# Altium PCB SPG_300.PcbDoc (part 3 of 7)
Units mil, origin at the board's own origin, x right, y up, seen from the top; angles counter-clockwise.
Board outline 7834.65 x 4330.71 mil, 4 copper layers (Top, Route2-SIG, Route3-GND, Bottom), stack 67.156 mil thick; 659 components, 376 nets, 2304 pads, 665 vias.
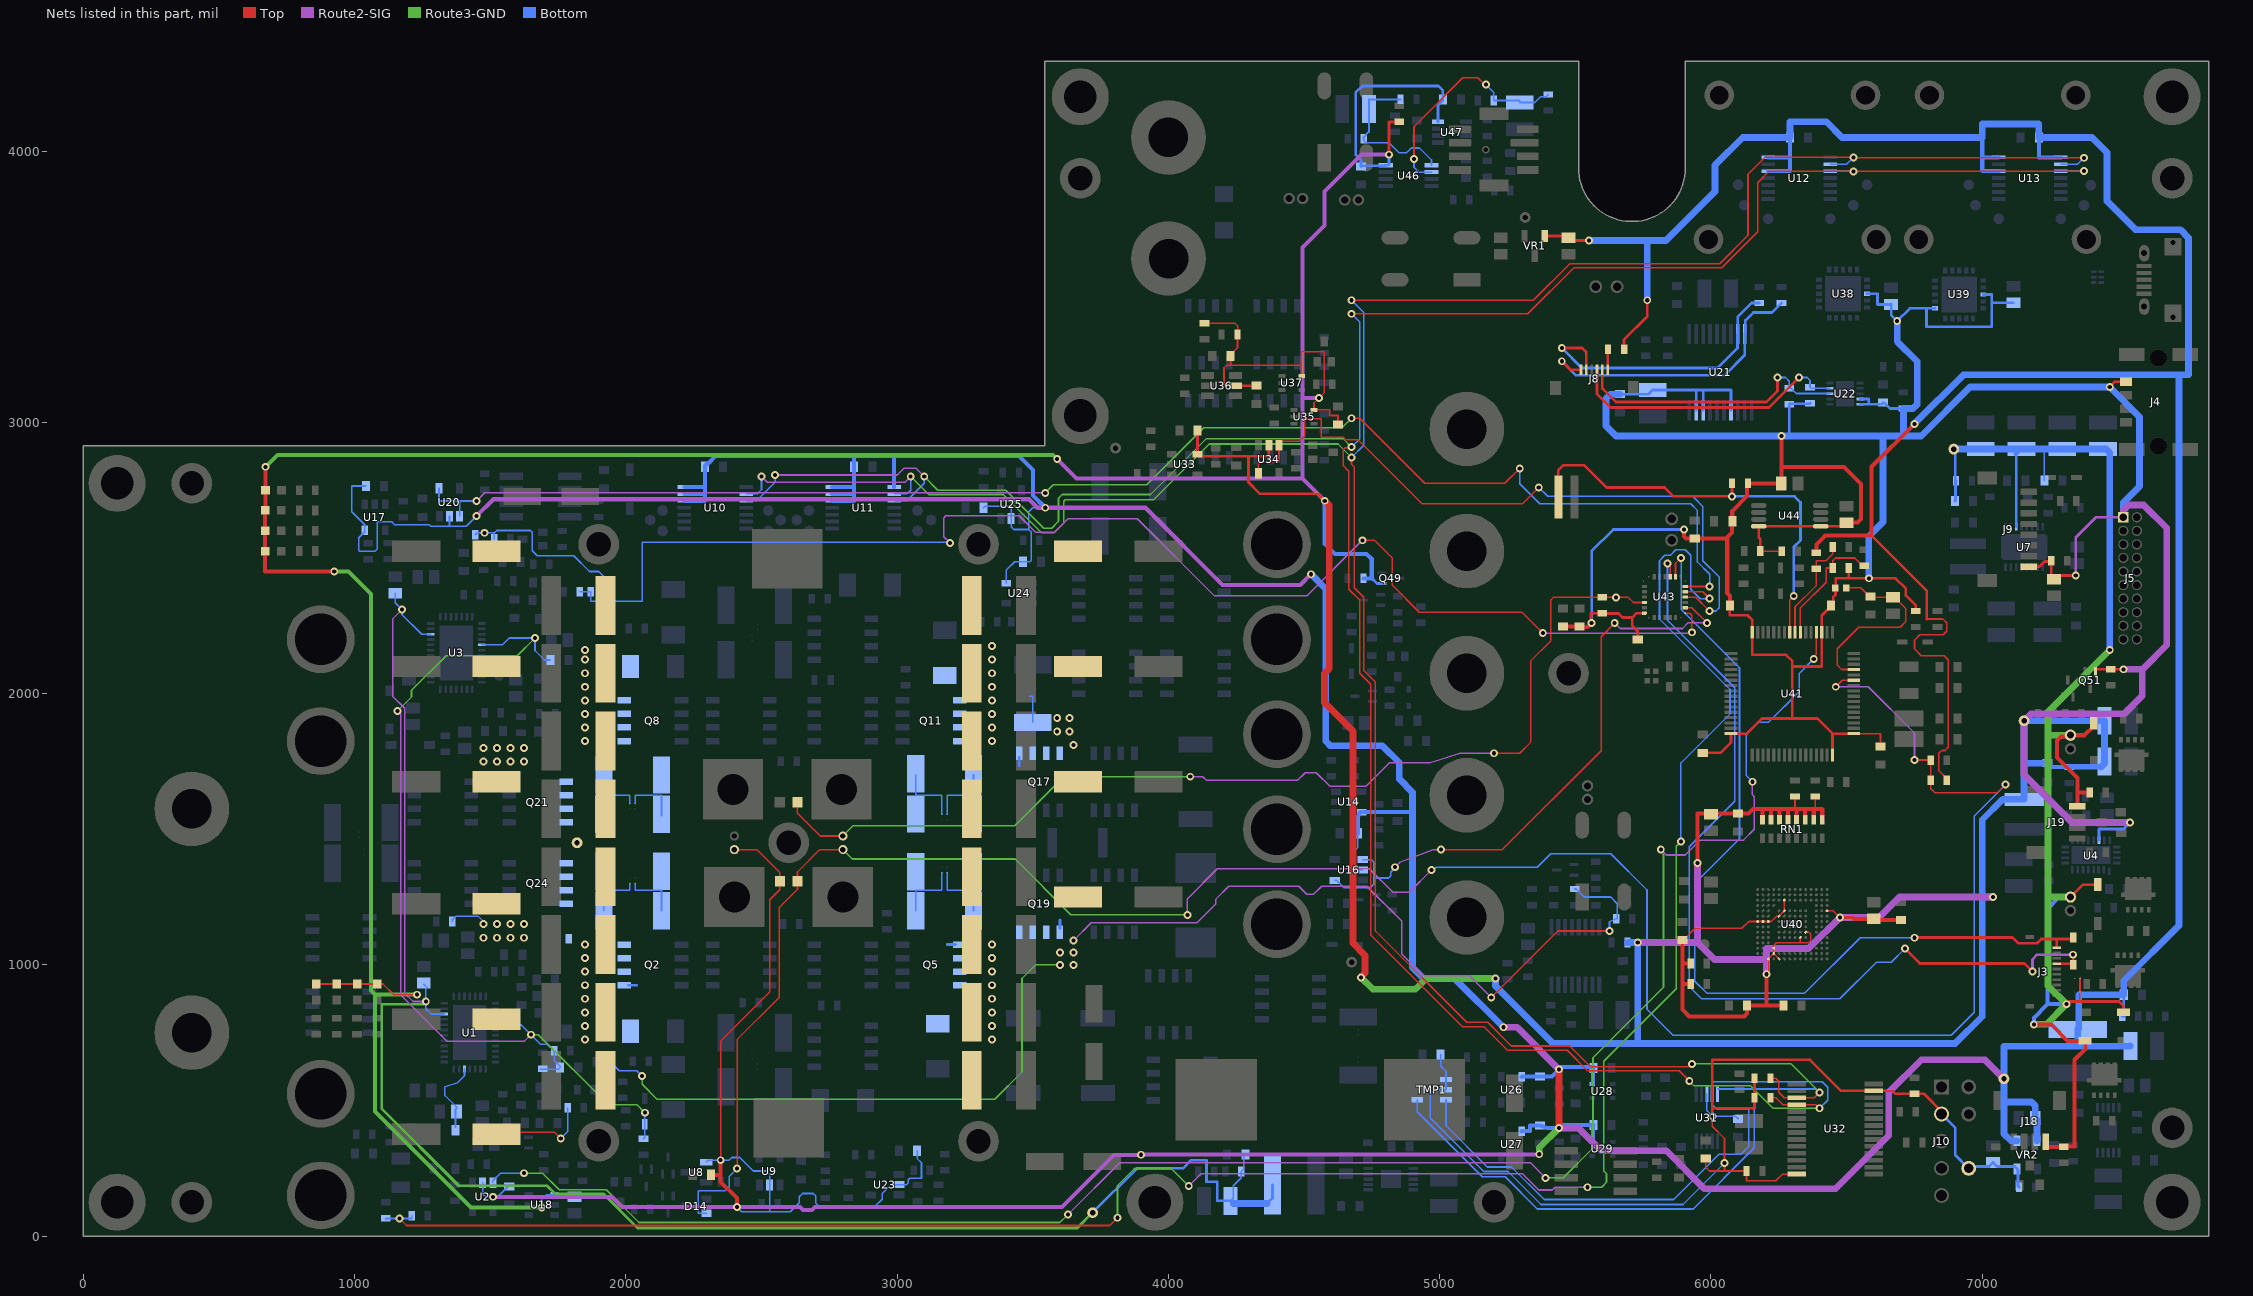
[diagram p5: the nets of this part, all layers, seen from the top]

## Via types
v1: diameter 29, hole 15, Top to Bottom, tented both sides, 469 vias
v2: diameter 29/29/29/29 (per signal layer), hole 15, Top to Bottom, tented both sides, 168 vias
v3: diameter 34/34/34/34 (per signal layer), hole 20, Top to Bottom, 14 vias
v4: diameter 60/52.5/52.5/60 (per signal layer), hole 35, Top to Bottom, 13 vias
v5: diameter 55, hole 35, Top to Bottom, 1 vias

## Nets (pads, with @x,y where several pads share a name; then routed paths per layer and width w, separated by ;. In a path a pad name is that pad's centre, name@x,y a point inside that pad or via, vN(x,y) a via of type N, cw(c..) or ccw(c..) an arc to the next point about the centre after c; other vN are vias at no path point)
3V3: C69.1 C70.1 C71.1 C102.1 C116.1 C121.1 C122.1 C126.1 C139.1 C148.1 C149.1 C151.2 C152.1 C153.1 C154.1 C157.1 C158.1 C159.1 C160.1 C161.1 C162.1 C163.1 C164.1 C165.1 C166.1 C167.1 C168.1 C169.1 C170.1 C172.1 C177.1 C178.1 C182.1 C186.1 FB1.1 I1.2 J4.1 J5.1 J9.8 LED1.A LED2.A LED3.A LED4.A LED5.A LED6.A LED7.A LED8.A Q49.1 Q51.1 R67.2 R103.2 R123.1 R130.2 R136.2 R137.2 R139.1 R181.2 R185.1 R186.1 R187.2 R191.2 R193.2 R194.2 R196.1 R197.1 R198.2 R200.2 R202.2 R206.1 R207.1 RN1.9 RN1.10 RN1.11 RN1.12 RN1.13 RN1.14 RN1.15 RN1.16 TP_2.1 U4.18 U18.1 U21.4 U21.8 U21.9 U22.4 U22.5 U33.5 U34.2 U35.5 U36.5 U37.5 U38.8 U39.8 U39.16 U40.*VCC U40.C6 U40.E6 U40.E14 U40.J10 U40.K9 U40.M4 U40.N4 U40.P3 U40.P5 U41.1 U41.19 U41.32 U41.48 U41.64 U43.7 U44.1 U44.8 U46.8 U47.8 | length 38991
  Top w6: LED7.A@670.43,2675 LED7.A@671.57,2676.14 ; LED1.A@859.01,929.53 LED2.A@934.01,929.53 LED3.A@1009.01,929.53 LED4.A@1084.01,929.53 1084.48,930 1084.96,929.53 1104.96,929.53 1144.48,890 v2(1229.96,890) ; R187.2@4132.83,3364.53 4245.47,3364.53 4255,3355 4255,3324.09 R185.1@4254.53,3323.62 4254.53,3275 4228.46,3248.94 C151.2@4228.46,3245 4230,3243.46 4230,3210 ; U36.5@4246.57,3135 4210.26,3135 4205,3140.26 4205,3200 4215,3210 4230,3210 ; U37.5@4491.42,3170 U37.5@4491.42,3170.59 4491.42,3210 ; v1@4565,3090 v1(4555,3090) ; C149.1@4625,2991.54 4625,3025 4595,3025 4595,3045.59 U35.5@4536.42,3045.59 4536.42,3071.42 v1(4555,3090) ; U43.7@5753,2296.44 5754.76,2294.68 U43.7@5757.56,2297.49 ; C165.1@5895,1091.54 5898.94,1091.54 5942.4,1135 6113.9,1135 6138.74,1159.84 U40.*VCC@6172.05,1159.84 U40.*VCC@6191.73,1159.84 U40.*VCC@6211.42,1159.84 6221.84,1159.84 6241.53,1179.53 U40.*VCC@6250.79,1179.53 U40.E6@6270.47,1199.21 U40.C6@6270.47,1238.58 ; C172.1@6000,1555.51 C172.1@6000,1558.46 ; R196.1@6181.89,2519.88 R196.1@6181.89,2525.79 6182.68,2525 R197.1@6260.63,2525 ; v1(6205,965.35) 6211.42,971.77 U40.P3@6211.42,1022.05 U40.N4@6231.1,1041.73 ; U40.P5@6250.79,1022.05 U40.N4@6231.1,1041.73 ; R198.2@6309.84,1620.47 6309.84,1580.91 6315.75,1575 ; U40.K9@6329.53,1100.79 6329.53,1081.1 ; U40.J10@6349.21,1120.47 6350.07,1119.61 6362.39,1119.61 6367.95,1114.05 6367.95,1089 6360.06,1081.1 6329.53,1081.1 ; 6378.74,1575 6385,1581.26 R200.2@6385,1620.47 ; U40.E14@6427.95,1199.21 6450,1199.21 6474.37,1174.84 v1(6475,1174.84) ; C160.1@6441.54,2321.06 C160.1@6441.54,2325 ; FB1.1@6458.66,2390 FB1.1@6460,2391.34 ; C170.1@6487.13,2616.61 C170.1@6500,2629.49 ; U41.1@6526.38,1852.58 6625,1852.58 C158.1@6625,1805.79 ; C178.1@6600,1169.49 C178.1@6604.01,1165.48 ; 4230,3210 4491.42,3210 ; 4491.42,3210 4491.42,3260 4575,3260 4575,3110 v1(4555,3090) ; U40.N4@6231.1,1041.73 6231.1,1071.1 6241.1,1081.1 6329.53,1081.1 ; U33.5@4107.24,2875 U33.5@4107.24,2882.4 4114.65,2875 U33.5@4107.24,2875
  Top w10: U33.5@4107.24,2882.4 C148.1@4107.24,2970 ; U33.5@4114.65,2875 4295,2875 ; U36.5@4246.57,3135 4246.65,3135.08 4324.92,3135.08 C152.1@4325,3135.16 ; U34.2@4370,2911.77 4370,2875 4295,2875 ; v1(4576.3,2710.59) 4550.71,2736.18 4337.83,2736.18 4295,2779.01 4295,2875 ; v1(4813.34,3986.5) 4813.34,4107.28 R181.2@4851.02,4107.28 ; C177.1@5515,2246.54 C177.1@5515.53,2246 ; v1(5560,2260) 5558.03,2261.97 5558.03,2296 5599,2296 R194.2@5599.53,2295.47 5659.53,2295.47 5674.29,2280.71 5710,2280.71 ; C166.1@5730,2198.46 5730,2229.8 5710,2249.8 5710,2280.71 ; U43.7@5753,2296.44 5725.73,2296.44 5710,2280.71 ; C159.1@5969.8,1781.54 6035,1781.54 6073.62,1820.16 U41.48@6073.62,1852.36 6132.36,1852.36 6188.15,1908.15 6300,1908.15 ; C157.1@6069.69,2325 6069.69,2288.56 6135.54,2288.56 6152.36,2271.73 U41.32@6152.36,2226.38 6152.36,2142.83 6276.86,2142.83 6299.69,2120 6299.69,2100 6300,2099.69 ; R196.1@6181.89,2525.79 6181.89,2570 6175.98,2575.91 U44.8@6175.98,2616.61 U44.1@6404.33,2616.61 C170.1@6487.13,2616.61 ; C160.1@6441.54,2321.06 6408.27,2287.79 U41.19@6408.27,2226.38 6408.27,2100 6300.31,2100 6300,2099.69 ; C160.1@6441.54,2325 6450.39,2333.85 6450.39,2355.39 6458.66,2363.66 FB1.1@6458.66,2390 ; U41.64@6447.64,1773.62 6447.64,1852.36 ; FB1.1@6460,2391.34 6460,2425 6507.87,2425 ; R202.2@6507.87,2462.83 6507.87,2425 ; U41.1@6526.38,1852.36 6447.64,1852.36 ; R193.2@6755,2304.53 6755,2325.16 6718.23,2361.93 6718.23,2386.77 6680,2425 v1(6581.93,2425) 6507.87,2425 ; J9.8@7171.26,2467.68 7210.2,2467.68 7229.33,2486.81 R130.2@7253.94,2486.81 ; R130.2@7253.94,2490.16 R130.2@7253.94,2486.81 ; C121.1@7267.52,2421.86 C121.1@7265,2421.86 ; v1(7344.69,2435) 7278.14,2435 C121.1@7265,2421.86 ; Q51.1@7417.9,2081.5 7417.9,2089.53 R186.1@7473.31,2089.53 v1(7520.51,2089.53) ; v1(7470,3130) 7490,3150 J4.1@7529.92,3150 ; 6300,1908.15 6300,2099.69 ; 6300,1908.15 6391.85,1908.15 6447.64,1852.36 ; R130.2@7253.94,2486.81 7253.94,2432.92 C121.1@7265,2421.86
  Top w15: LED7.A@670.43,2675 LED6.A@670.43,2600 LED5.A@670.43,2525 670.43,2450 v1(925,2450) ; LED7.A@671.57,2676.14 LED8.A@671.57,2750 v1(671.57,2836) ; C167.1@5455,2246.54 C177.1@5515,2246.54 ; C177.1@5515.53,2246 5516.06,2245.47 5545.67,2245.47 5558.03,2257.83 v1@5558.03,2261.97 ; C165.1@5895,1091.54 5895,1005 ; v1(5900,2605.47) 5900,2579.41 5907.87,2571.54 C168.1@5940,2571.54 6055,2571.54 ; R206.1@5925,929.06 R206.1@5925.47,929.53 5925,930 5895,930 ; R207.1@5925.47,1005 5895,1005 ; v1(5950,1375) 5950,1558.46 6000,1558.46 C163.1@6100,1558.46 6138.46,1558.46 6155,1575 6189.76,1575 ; C157.1@6069.69,2325 6069.69,2360.2 6060,2369.89 6060,2571.54 6055,2571.54 ; RN1.16@6189.76,1534.25 6189.76,1575 ; v1(6205,965.35) 6205,850 ; RN1.15@6221.26,1534.25 6221.26,1575 ; RN1.14@6252.76,1534.25 6252.76,1575 ; v1(6259.49,2950) 6259.49,2835 ; C162.1@6266.54,850 6205,850 ; RN1.13@6284.25,1534.25 6284.25,1575 ; RN1.12@6315.75,1534.25 6315.75,1575 ; RN1.11@6347.24,1534.25 6347.24,1575 ; RN1.10@6378.74,1534.25 6378.74,1575 ; RN1.9@6410.24,1534.25 6410.24,1575 6378.74,1575 ; v1(6475,1174.84) 6521.03,1174.84 6526.38,1169.49 C178.1@6600,1169.49 ; C170.1@6500,2629.49 6500.51,2630 6540,2630 6552.93,2642.93 6552.93,2771.79 6489.72,2835 6259.49,2835 ; C178.1@6604.01,1165.48 C164.1@6700,1165.48 ; 5895,930 5895,835 5919.88,810.12 6122.62,810.12 6133.46,820.96 C161.1@6133.46,850 6205,850 ; 5895,930 5895,1005 ; 6055,2571.54 6077.26,2593.8 6077.26,2633.8 C169.1@6078.46,2635 6078.46,2673.46 6133.25,2728.25 6133.25,2771.79 R191.2@6136.46,2775 C154.1@6259.49,2775 6259.49,2835 ; 6189.76,1575 6221.26,1575 ; 6221.26,1575 6252.76,1575 ; 6252.76,1575 6284.25,1575 ; 6284.25,1575 6315.75,1575 ; 6315.75,1575 6347.24,1575 ; 6347.24,1575 6378.74,1575
  Top w25: v1(4576.3,2710.59) 4593,2693.89 4593,2093 4575,2075 4575,1966.42 4680,1861.42 4680,1080 4725,1035 4725,969.98 4710,954.98 v1(4710,953.9)
  Route2-SIG w10: v1(7344.69,2435) 7344.69,2574.68 7420,2650 J5.1@7520,2650
  Route2-SIG w15: v1(3589.96,2865) 3661.81,2793.15 4493.74,2793.15 ; v1(4555,3090) 4493.74,3090 ; v1(4576.3,2710.59) 4493.74,2793.15 ; v1(4813.34,3986.5) 4711.5,3986.5 4575,3850 4575,3725 4493.74,3643.74 4493.74,3090 ; 4493.74,2793.15 4493.74,3090
  Route2-SIG w25: v1(5730,1082.5) 5950,1082.5 ; v1@5949.76,1375 5949.76,1082.74 5950,1082.5 ; v1@6204.76,965.35 6204.76,1020 ; v1@6474.76,1174.84 6359.92,1060 6204.76,1060 6204.76,1020 ; v1(6475,1174.84) 6619.84,1174.84 6695,1250 v1(7040,1250) ; J5.1@7520,2650 7520,2675 7540,2695 7595,2695 7680,2610 7680,2179.53 7590,2089.53 ; v1(7520.51,2089.53) 7590,2089.53 ; v1(7545,1525.16) 7330,1525.16 7154.11,1701.05 TP_2.1@7154.11,1900 7179.65,1925.54 7523.02,1925.54 7590,1992.52 7590,2089.53 ; 5950,1082.5 6012.5,1020 6204.76,1020
  Route3-GND w15: v1(671.57,2836) 715.57,2880 3574.96,2880 v1(3589.96,2865) ; v1(925,2450) 977.11,2450 1060,2367.11 1060,905 1075,890 ; v2(1229.96,890) 1075,890 ; v1(1690,105) 1429.96,105 1075,459.96 1075,890
  Route3-GND w25: v1(4710,953.9) 4753.9,910 4910,910 4950,950 v1(5205,950)
  Bottom w6: v1(1690,105) 1690,135.27 1707.13,152.4 U18.1@1737.24,152.4 1810.15,152.4 C116.1@1810.15,145.51
  Bottom w10: 4749.53,2425.05 4769.26,2405.32 Q49.1@4787.91,2405.32 ; v1(4813.34,3986.5) 4813.34,3950.79 4810.46,3947.91 U46.8@4800.35,3947.91 4797.89,3945.45 4712.46,3945.45 C186.1@4710,3942.99 4710,3966.5 4690,3986.5 4690,4215 4715,4240 4995,4240 5011.54,4223.46 C182.1@5011.54,4189.44 5011.54,4185.5 4993.43,4167.39 U47.8@4993.43,4107.91 ; v1(5560,2260) 5560,2525 5640,2605 5899.53,2605 v1(5900,2605.47) ; C126.1@5665,3103.46 5769.25,3103.46 C102.1@5785,3119.21 5945.43,3119.21 ; U21.9@5945.43,3044.25 5945.43,3119.21 ; U21.8@5971.02,3044.25 5971.02,3119.21 ; U21.4@6073.39,3044.25 6073.39,3119.21 5971.02,3119.21 ; 6290,2950 6288.96,2951.04 R137.2@6288.96,3065.95 6290.96,3067.95 6363,3067.95 R136.2@6365,3069.95 ; U22.5@6549.63,3066.1 6581.93,3066.1 ; U22.4@6549.63,3085.79 6581.93,3085.79 6581.93,3066.1 ; U38.8@6575.35,3474.21 6614.13,3474.21 6614.13,3434.49 C153.1@6664.13,3434.49 6664.13,3395.83 v1(6686.43,3373.53) 6732.91,3420 6794.49,3420 ; 6634.17,2950.83 6635,2950 ; R139.1@6709.17,3050.94 6659.65,3050.94 6638.11,3072.48 C122.1@6634.17,3072.48 6627.8,3066.1 6581.93,3066.1 ; U39.16@6826.42,3420 6794.49,3420 ; U39.8@7003.58,3471.18 7034.49,3471.18 7034.49,3440.67 ; C139.1@7114.49,3440.67 7034.49,3440.67 ; U4.18@7430.53,1460.12 7430.53,1500.53 7520.37,1500.53 v1(7545,1525.16) ; 5945.43,3119.21 5971.02,3119.21 ; 6794.49,3420 6794.49,3351.81 7034.49,3351.81 7034.49,3440.67
  Bottom w15: v1(4576.3,2710.59) 4576.3,2551.46 4613.23,2514.53 4730.47,2514.53 4749.53,2495.47 4749.53,2425.05 ; R123.1@4719.06,2425 4749.53,2425 ; C69.1@7240,1743.46 7243.94,1743.46 7257.87,1729.53 R67.2@7320,1729.53
  Bottom w20: R67.2@7320,1729.53 C71.1@7437.7,1729.53
  Bottom w25: v1(5205,950) 5205.77,949.23 5205.77,921.87 5417.64,710 5730,710 ; C126.1@5665,3103.46 5629.64,3103.46 5613.15,3086.97 5613.15,2986.85 5650,2950 v1(6259.49,2950) 6290,2950 6634.17,2950 ; R103.2@5692.4,1082.5 v1(5730,1082.5) 5730,710 ; v1(6581.93,2425) 6581.93,2580 6634.17,2632.24 6634.17,2950 ; 6634.17,2950.83 6634.17,2950 ; v1(6686.43,3373.53) 6686.43,3298.57 6760,3225 6760,3065.94 6745,3050.94 R139.1@6709.17,3050.94 6709.17,2950.83 6710,2950 ; v1(7040,1250) 7000,1250 ; C69.1@7240,1743.46 7154.11,1743.46 ; C71.1@7437.7,1729.53 7450.79,1742.62 C71.1@7450.79,1750 C70.1@7450.79,1900 TP_2.1@7154.11,1900 7154.11,1743.46 ; J5.1@7520.51,2650 7520.51,2704.47 7580,2763.96 7580,3020 v1(7470,3130) 6955,3130 6775,2950 6710,2950 ; 5730,710 6900,710 7000,810 7000,1250 ; 6634.17,2950 6635,2950 6710,2950 ; 7000,1250 7000,1535 7075.12,1610.12 I1.2@7154.11,1610.12 7154.11,1743.46
3V3A_MCU: C155.1 C156.1 FB1.2 U41.13 | length 722.8
  Top w6: FB1.2@6498.03,2390 6552.52,2390 6584.06,2358.46 C156.1@6587.99,2358.46 6590.95,2355.51 C155.1@6670.47,2355.51 6676.38,2355.51 6718.23,2313.66 6718.23,2265.94 6697.28,2245 6545,2245 6465,2165 6465,2105 6481.42,2088.58 U41.13@6526.38,2088.58
3V6: C100.1 C140.1 C145.1 C147.1 J10.2 R76.2 R166.2 R167.2 R168.2 R169.1 TMP1.4 TMP1.5 TP_5.1 U31.8 U32.13 U32.28 VR2.5 | length 4326.5
  Top w6: C147.1@5980.47,286.54 5980.47,254.25 5994.72,240 6050,240 ; v1(6005,441.73) 6005,405 6050,360 v1(6050,269.88) 6050,240 ; U32.28@6315.97,228.66 6263.79,228.66 6238.83,203.7 6130.94,203.7 R168.2@6130.94,240 6050,240
  Top w10: v1(6005,441.73) 6005,471.4 ; R167.2@6160.47,582.06 R166.2@6160.47,510.16 6160.47,471.4 6005,471.4 ; J10.2@6855,445 6855,454.53 6784.53,525 6750.47,525 R169.1@6750,524.53 6680,524.53 6668.78,535.75 U32.13@6599.43,535.75 6479.72,535.75 6365.47,650 6005,650 6005,471.4
  Bottom w6: C145.1@5003.46,670 5003.46,626.54 5023.15,606.85 TMP1.4@5023.15,577.4 TMP1.5@5023.15,540 4980,540 4965,525 4965,435.79 5162.48,238.31 5251.69,238.31 5373.46,116.54 5896.65,116.54 v1(6050,269.88) ; U31.8@5985,523.74 5985,461.73 v1(6005,441.73) 6090.68,441.73 C140.1@6100,432.41
  Bottom w10: J10.2@6850,450 6900,400 6900,300.12 TP_5.1@6950,250.12 6956.69,256.8 7025.31,256.8 C100.1@7040,271.49 7054.69,256.8 7119.61,256.8 7127.6,248.81 VR2.5@7127.6,247.76 7131.54,243.82 7131.54,184.29 R76.2@7135.47,180.35
5V0: C32.1 C67.1 C79.2 C80.1 C94.1 C103.1 C106.1 C107.1 C108.1 C109.1 C110.1 C117.1 C127.1 C128.1 C129.1 C130.1 C131.1 C133.1 C134.1 L4.2 pad.12 R73.1 R85.1 R127.2 R203.2 TH1.2 TP_4.1 U2.2 U8.1 U9.2 U10.12 U10.13 U10.14 U11.1 U11.12 U11.13 U11.14 U12.12 U12.14 U13.1 U13.12 U13.14 U14.5 U16.2 U17.5 U20.2 U23.2 U24.5 U25.2 U26.5 U27.5 U28.5 U29.5 VR1.1 VR2.1 VR2.3 | length 31780.6
  Top w6: v1(2349.56,280) 2349.56,719.56 2530,900 2530,1239.7 2567.52,1277.22 TH1.2@2567.52,1308.15 2567.52,1340.14 2482.66,1425 pad.12@2399.96,1425 pad.12@2399.56,1425 ; 6795,2275 6855,2275 6869.41,2260.59 6869.41,2230 6855.94,2216.54 6770,2216.54 6750,2196.54 6750,2165 6775,2140 6860,2140 6875,2125 6875,1802.17 6862.83,1790 6850,1790 6840,1780 6840,1716.22 6869.53,1686.69 R85.1@6869.53,1680.79
  Top w10: VR1.1@5387.4,3686.42 5469.09,3686.42 C67.1@5475,3680.51 5485.51,3670 v1(5550,3670) ; R127.2@5679.53,3270 5679.53,3304.53 5765,3390 v1(5765,3450) ; 6591.73,2582.68 6795,2379.41 6795,2275
  Top w15: C103.1@2313.46,226.06 2314.52,225 2349.56,225 ; v1(2349.56,280) 2349.56,225 ; v1(2410,107.7) 2410,140 2349.56,200.44 2349.56,225 ; R203.2@6388.58,2519.53 6388.58,2550 6421.26,2582.68 6591.73,2582.68 6591.73,2836.14 v1(6750,2994.41)
  Top w25: v1(5440,398.94) v1(5440,615)
  Route2-SIG w15: v1(1450,2655) 1511.32,2716.32 3486.75,2716.32 3518.06,2685 v1(3545.92,2685) 3915,2685 4199.06,2400.94 4485.94,2400.94 v1(4525,2440) ; v1(1510,145) 1948.91,145 1986.2,107.7 v1(2410,107.7) 2642.3,107.7 2653,97 2686,97 2696.7,107.7 3607.7,107.7 3798.96,298.96 3890.87,298.96 3891.91,300 v1(3898.96,300) 3899.96,301 5366,301 v1(5367,302)
  Route2-SIG w25: v1(5235,770) 5284.98,770 5289.98,765 v1(5440,615) ; v1(5440,398.94) 5511.06,398.94 5595,315 5835,315 5975,175 6460,175 6655,370 6655,530 6775,650 7010,650 TP_4.1@7080,580
  Route3-GND w25: v1(5367,302) 5367,325.94 v1(5440,398.94)
  Bottom w6: C117.1@1041.54,2765 990,2765 990,2669.96 1037.6,2622.36 U17.5@1037.6,2602.76 1037.6,2596.85 1014.96,2574.21 1014.96,2527.93 1017.89,2525 1075,2525 1083.02,2533.02 1083.02,2633 1137.28,2633 1147.28,2623 1274.37,2623 1280.37,2617 1350,2617 ; 1350,2623 1350,2617 ; 1350,2625 U20.2@1350,2653.23 ; v1(1450,2655) 1412,2617 1350,2617 ; U2.2@1472.22,197.01 1472.22,155 1482.22,145 v1(1510,145) ; v1@1510,142.95 v1(1510,145) ; v1@1515.8,140 1515.8,142.95 v1@1513.76,145 ; C32.1@1570.19,183.46 1566.26,183.46 1527.79,145 v1@1513.76,145 ; U8.1@2296.42,272.99 2303.43,280 v1(2349.56,280) 2379.96,280 2389.96,290 2420,290 2470,240 2517.08,240 2530,227.08 U9.2@2530,188.23 2530,90 ; v1(2410,107.7) 2427.7,90 2530,90 ; C127.1@3073.46,315 3073.46,286.54 3090,270 3090,213.73 3046.87,213.73 3041.16,208.02 3041.16,195.71 3035.46,190 U23.2@3006.77,190 2977.46,190 2945,157.54 2945,136.54 2919.25,110.79 2711.21,110.79 2700,122 2700,148 2691,157 2651.24,157 2639,144.76 2639,123 2606,90 2530,90 ; C128.1@3318.46,2685 3323.46,2690 3420.47,2690 U25.2@3420.47,2645.47 3420.47,2614.53 3430,2605 3485.24,2605 ; U24.5@3402.71,2407.4 3402.71,2455.47 3433.09,2485.85 C129.1@3463.74,2485.85 3489.43,2485.85 3495,2491.42 3495,2595.24 3485.24,2605 ; v1(3545.92,2685) 3499.55,2685 3485.24,2670.69 3485.24,2605 ; C110.1@4698.46,1485 4698.46,1433.46 4680,1415 4680,1358.33 4687.85,1350.47 U16.2@4716.77,1350.47 ; v1(1510,145) 1510,148.76 v1@1513.76,145 ; v1(1510,145) v1@1513.76,145
  Bottom w10: R73.1@7515.98,810.12 7521.54,810.12 C79.2@7521.54,890
  Bottom w15: U10.12@2215.83,2710.59 2291.1,2710.59 2291.1,2736.18 ; U10.13@2215.83,2736.18 2291.1,2736.18 ; U10.14@2215.83,2761.77 2291.1,2761.77 ; U11.12@2760.83,2710.59 2841.54,2710.59 2841.54,2736.18 ; U11.13@2760.83,2736.18 2841.54,2736.18 ; U11.14@2760.83,2761.77 2841.54,2761.77 ; U11.1@2989.17,2761.77 2989.17,2875 ; v1(3545.92,2685) 3500.78,2730.15 3500.78,2824.22 3450,2875 2989.17,2875 ; C110.1@4698.46,1485 4698.46,1549.33 ; U14.5@4702.03,1552.89 4702.03,1558.8 4706.34,1563.11 U14.5@4712.24,1563.11 4900,1563.11 ; U27.5@5302.4,386.77 5303.25,387.62 5333,387.62 5333,408.46 C131.1@5370,408.46 5396.1,399.1 5395.94,398.94 v1(5440,398.94) 5451.06,410 C134.1@5566.54,410 5564.57,408.03 5564.57,347.5 5564.19,347.13 U29.5@5562.6,347.13 ; U26.5@5302.4,587.24 5303.01,587.85 5368.54,587.85 C130.1@5369.15,588.46 5369.53,588.84 5413.84,588.84 v1(5440,615) 5448.82,623.82 5566.54,623.82 5564.57,621.85 5564.57,560.96 5564.19,560.59 U28.5@5562.6,560.59 ; U12.12@6210.83,3925.59 6291.54,3925.59 6291.54,3976.77 ; U12.14@6210.83,3976.77 6291.54,3976.77 ; C108.1@6291.54,4050 6291.54,3976.77 ; 7000,4050 7000,3976.77 ; U13.12@7060.83,3925.59 7000,3925.59 7000,3976.77 ; U13.14@7060.83,3976.77 7000,3976.77 ; C109.1@7208.46,4050 7208.46,3976.77 U13.1@7289.17,3976.77 U13.1@7289.59,3976.36 ; 2291.1,2736.18 2291.1,2761.77 ; 2291.1,2761.77 C106.1@2291.1,2836 2291.1,2839.94 2298.36,2847.2 2302.3,2847.2 2330.09,2875 2841.54,2875 ; 2841.54,2736.18 2841.54,2761.77 ; 2841.54,2761.77 C107.1@2841.54,2836 2841.54,2875 ; 2841.54,2875 2989.17,2875
  Bottom w25: v1(4525,2440) 4580,2385 4580,1825 4597.5,1807.5 4788.5,1807.5 4851,1745 4851,1685 4900,1636 4900,1563.11 4900,990 4940,950 5055,950 v1(5235,770) ; v1(5550,3670) 5765,3670 ; v1(5765,3450) 5765,3670 ; v1@6750,2995 6930,3175 7725,3175 ; VR2.1@7127.6,351.3 7127.11,351.79 7105,351.79 7080,376.79 7080,495 ; VR2.3@7202.4,351.3 7201.91,351.79 7201.91,428.6 C94.1@7195.51,435 7195.51,480.36 7180.87,495 7080,495 ; C80.1@7545.79,700.79 7545,700 7351.79,700 ; 5765,3670 5834.06,3670 6015,3850.94 6015,3947.91 6117.09,4050 C108.1@6291.54,4050 6291.54,4107.91 6425,4107.91 6482.91,4050 7000,4050 7000,4100 7208.46,4100 C109.1@7208.46,4050 7405,4050 7460,3995 7460,3815 7565,3710 7730,3710 7760,3680 7760,3175 7725,3175 ; 7080,495 TP_4.1@7080,580 7080,700 7351.79,700 ; 7351.79,700 L4.2@7351.79,761.26 7355.72,765.2 7355.72,890 C79.2@7521.54,890 7521.54,941.54 7725,1145 7725,3175
7V5: C25.1 C58.1 C74.2 C75.1 L3.2 R68.1 TP_3.1 U1.29 U3.29 | length 6459.8
  Route2-SIG w6: v1(1175,2310) 1140,2275 1140,1990.55 1185,1945.55 1185,895 1215,865 v2(1262.46,865)
  Route3-GND w10: v2(1262.46,865) 1252.46,855 1100,855 1100,469.84 1384.06,185.78 1709.49,185.78 1740.27,155 1918.52,155 2043.66,29.86 3663.87,29.86 TP_3.1@3720.49,86.48
  Bottom w6: C58.1@1150,2369.49 1150,2335 v1(1175,2310) 1175,2291 1247.1,2218.9 U3.29@1280.47,2218.9 ; C25.1@1254.96,928.23 1266.77,916.42 1262.46,912.11 v2(1262.46,865) 1262.46,838.54 1282,819 1330.37,819 U1.29@1330.47,818.9 ; C75.1@4229.21,130 4239.21,140 4239.21,185.47 4268.74,215 R68.1@4268.74,238.31 4278.05,247.62 4278.05,295.1 C74.2@4283.42,300.47
  Bottom w10: TP_3.1@3720.49,86.48 3884.12,250.12 4053.21,250.12 4083.09,280 4140,280 4140,200.91 4180,200.91 4180,130 C75.1@4229.21,130 C75.1@4239.21,120 ; L3.2@4363.7,120 4383.74,140.04 L3.2@4383.74,188.39
  Bottom w25: C75.1@4239.21,120 L3.2@4363.7,120
12V0: C85.1 C87.1 C89.1 C91.1 C93.1 C95.1 D28.C D29.C D30.C D31.C J18.1 J19.1 J20.2 J21.2 NT21.1 NT22.1 R79.2 R208.2 R209.2 TP_6.1 U7.3 | length 5967.7
  Top w6: 7360,865 NT21.1@7360,900 7360.47,900.47 NT22.1@7360.47,950
  Top w10: v1(7310,855) 7320,865 7360,865 7504.49,865 7519.49,850 7519.49,826.38 D28.C@7520.87,825 ; J20.2@7325,1250 7370,1295 7424.13,1295 D29.C@7425,1295.87
  Top w15: v1(7190,780) 7254.72,780 7314.7,720.02 D31.C@7379.13,720.02 7380,719.15 7380,690 7340.22,650.22 7340.22,329.74 7300.69,329.74 R208.2@7300,329.06 7237.85,329.06 7233.54,333.37 J18.1@7233.54,347.95 ; J19.1@7350.47,1584.06 7350.47,1636.79 ; R209.2@7395.47,1635.24 7352.03,1635.24 7350.47,1636.79 ; D30.C@7411.61,1890.87 7411.61,1881.02 7377.1,1846.51 J21.2@7325,1846.51 7319.83,1841.35 7290.06,1841.35 7275,1826.28 7275,1765 7350.47,1689.53 7350.47,1636.79
  Route3-GND w15: J21.2@7325,1840 7318.49,1846.51 J21.2@7325,1846.51
  Route3-GND w25: v1(7190,780) 7190.77,780.77 7235.77,780.77 v1(7310,855) 7242.76,922.24 7242.76,1250 ; J21.2@7318.49,1846.51 7242.76,1846.51 ; J20.2@7325,1250 7242.76,1250 ; v1(7470,2160.12) 7242.6,1932.72 7242.6,1914.53 7242.76,1846.51 ; 7242.76,1250 7242.76,1846.51
  Bottom w6: 7228.35,2901.23 7227.48,2900.36 7227.48,2889.53 7229.13,2887.87 C85.1@7229.13,2785
  Bottom w10: C95.1@6899.13,2710 6901.1,2711.97 6901.1,2783.03 R79.2@6903.07,2785 6899.88,2788.19 TP_6.1@6899.88,2896.39 ; U7.3@7125.07,2614.8 C89.1@7125.07,2883.14 ; C91.1@7257.81,2901.23 C91.1@7261.57,2897.46
  Bottom w15: C89.1@7125.07,2883.14 7123.42,2883.14 7141.51,2901.23 C89.1@7145.04,2901.23 ; v1(7190,780) 7190,805 7240,855 ; v1(7310,855) 7240,855 ; J20.2@7325,1250 7283.21,1250 7240,1206.79 7240,855
  Bottom w25: TP_6.1@6899.88,2896.39 6904.72,2901.23 C87.1@6994.57,2901.23 C89.1@7141.51,2901.23 ; C89.1@7145.04,2901.23 7228.35,2901.23 7257.81,2901.23 C91.1@7295.04,2901.23 C93.1@7445.04,2901.23 7456.91,2901.23 7470,2888.14 v1(7470,2160.12)
AI_3V3: R202.1 R204.2 U41.23 | length 459.6
  Top w6: U41.23@6329.53,2226.38 6329.53,2315.2 6425,2410.67 6425,2462.83 R202.1@6448.81,2462.83 6448.81,2490.16 6458.66,2500 6529.57,2500 6559.09,2470.47 R204.2@6565,2470.47
AI_5V0: R203.1 R205.2 U41.24 | length 392.5
  Top w6: U41.24@6309.84,2226.38 6309.84,2319.84 6388.58,2398.58 R203.1@6388.58,2460.47 6388.58,2490 6424.05,2490 6448.81,2514.76 R205.2@6448.81,2540.51
AI_CHTR_I: U34.1 U34.4 U43.18 | length 2595.3
  Top w6: U34.4@4331.22,2812.17 4331.22,2855 4407.4,2855 U34.1@4407.4,2915.71 4407.4,2918.46 4418.94,2930 4483.11,2930 4501.5,2948.39 4501.5,3013 4563.11,3013 4563.11,2945 4644.53,2945 4654.53,2935 4700,2935 4935,2700 5305,2700 v1(5365,2760) ; U43.18@5904.8,2355.51 5943.9,2355.51 v1(5994.88,2304.53)
  Bottom w6: v1(5365,2760) 5398.08,2726.92 5933.08,2726.92 5970,2690 5970,2490 6030,2430 6030,2316.14 6018.39,2304.53 v1(5994.88,2304.53)
AI_DC1_VIN: R13.1 R15.2 U43.15 | length 5023.4
  Top w6: v1(4715,2565) 4760,2565 4825,2500 4825,2400 4925.02,2299.98 5302.99,2299.98 v1(5380,2222.97) ; U43.15@5904.8,2296.46 5921.55,2296.46 5929.45,2288.56 5929.45,2226.02 v1(5929.53,2225.94)
  Route2-SIG w6: v1(3195,2555) 3171.92,2578.08 3171.92,2647.42 3179.51,2655 3450,2655 3510,2595 3580,2595 3630,2645 3885,2645 4170,2360 4510,2360 v1(4715,2565) ; v1(5380,2222.97) 5926.56,2222.97 v1(5929.53,2225.94)
  Bottom w6: R15.2@1829.53,2374.89 1870.1,2374.89 R13.1@1870.43,2375.22 1870.43,2340 2060,2340 2060,2558 3192,2558 v1(3195,2555)
AI_FC_I: U20.1 U20.4 U43.20 | length 5477.1
  Top w6: v1(4675,3015) 4705,3015 4945,2775 5240,2775 v1(5295,2830) ; U43.20@5904.8,2394.88 5994.88,2394.88 v1(5995,2395)
  Route2-SIG w6: v1(1450,2710) 1480,2740 v1(3545.92,2740)
  Route3-GND w6: v1(3545.92,2740) 3575.92,2770 3920,2770 4130,2980 4640,2980 v1(4675,3015)
  Bottom w6: U20.4@1311.22,2756.77 1311.22,2710 1387.4,2710 ; U20.1@1387.4,2653.23 1387.4,2710 ; v1(1450,2710) 1387.4,2710 ; v1(5295,2830) 5295,2773.32 5368.31,2700 5925,2700 5950,2675 5950,2484.8 5995,2439.8 v1(5995,2395)
AI_FC_T1: J3.1 R110.1 U43.23 | length 3341.8
  Top w6: U43.23@5869.37,2430.32 5869.37,2479.37 v1(5890,2500)
  Top w10: v1(6750,1100) 6750.79,1100.79 7111.69,1100.79 7132.48,1080 7202.77,1080 7217.77,1095 R110.1@7334.69,1095 ; J3.1@7270,1063.66 7270.08,1063.58 J3.1@7274.21,1063.58 7274.21,1090.09 7272.76,1091.54
  Bottom w6: v1(5890,2500) 5890,2310 6105,2095 6105,1465 5940,1300 5940,940 5985,895 6345,895 6550,1100 v1(6750,1100)
AI_FC_T2: J3.4 R109.1 U43.24 | length 3483.5
  Top w6: v1(5839.53,2479.37) 5849.69,2469.21 U43.24@5849.69,2430.32
  Top w10: v1(6715,1060) 6770,1005 6805,1005 ; 6805.47,1004.53 6805,1005 ; v1(7185,975) 7155,1005 6805,1005 ; J3.4@7274.21,1004.53 7330.94,1004.53 R109.1@7335,1000.47 ; v1(7335,1037.5) R109.1@7335,1000.47 ; R109.1@7335.47,1000 R109.1@7335,1000.47
  Route2-SIG w10: v1(7185,975) 7185,1020 7202.5,1037.5 v1(7335,1037.5)
  Bottom w6: v1(5839.53,2479.37) 5839.53,2270.47 6088,2022 6088,1603 5920,1435 5920,920.32 5965.31,875 6475,875 6610,1010 6665,1010 v1(6715,1060)
AI_FC_V: R117.1 R119.2 U43.19 | length 7855.7
  Top w6: v1(1165,65) 1191,39 3783.41,39 v1(3812.26,67.84) ; U43.19@5904.8,2375.2 5969.8,2375.2 v1(5995,2350)
  Route2-SIG w6: v1(4075,185) 4120,230 5305.47,230 5365.47,170 5414.56,170 5424.91,180.35 v1(5545,180.35)
  Route3-GND w6: v1(3812.26,67.84) 3812.26,186.39 3875,249.13 4010.87,249.13 v1(4075,185) ; v1(5545,180.35) 5597.13,180.35 5615,198.23 5615,230 5605,240 5605,645 5871.44,911.44 5871.44,1437.31 v1(5889.13,1455)
  Bottom w6: R117.1@1115,60.47 1115,65 v1(1165,65) 1210.98,65 R119.2@1210.98,75 ; v1(5889.13,1455) 5889.13,1744.13 6070,1925 6070,2015 5810,2275 5810,2490 5830,2510 5850.47,2510 5870.47,2530 5905,2530 5925,2510 5925,2385 5960,2350 v1(5995,2350)
AI_FCCB_T: R194.1 TH2.2 U43.5 | length 3897.7
  Top w6: TH2.2@2632.44,1600 2632.44,1559.29 2716.73,1475 v3(2799.92,1475) ; v1(5200,1780) 5295,1780 5335,1820 5335,2120 5410,2195 5410,2345 5419.53,2354.53 R194.1@5599.53,2354.53 5639.21,2354.53 v1@5650,2343.74 ; v1(5650,2354.53) v1@5650,2343.74 ; U43.5@5755.2,2335.83 5714.17,2335.83 5695.47,2354.53 5662.73,2354.53 5650.97,2342.77 v1@5650,2343.74
  Route2-SIG w6: v1(4080.55,1693.63) 4126.37,1693.63 4140,1680 4475.94,1680 4504.29,1708.35 4545,1708.35 4594.37,1658.98 4728.98,1658.98 4815,1745 4965,1745 5075,1780 v1(5200,1780)
  Route3-GND w6: v3(2799.92,1475) 2837.22,1512.3 3433.35,1512.3 3614.26,1693.21 4080.13,1693.21 v1(4080.55,1693.63)
AI_LOAD_I: U16.1 U16.4 U43.16 | length 2269.3
  Top w6: v1(5005,1425) 5230.91,1425 5595,1789.09 5595,2210 v1(5645,2260) ; U43.16@5904.8,2316.14 5929.45,2316.14 v1(5985,2260.59)
  Route2-SIG w6: v1(4835,1360) 4852.66,1377.66 4975,1425 v1(5005,1425) ; v1(5645,2260) 5665,2240 5895,2240 5915.59,2260.59 v1(5985,2260.59)
  Bottom w6: U16.4@4613.23,1311.69 4619.92,1311.69 4646.61,1285 4745.52,1285 4757.34,1296.82 4757.34,1320 ; U16.1@4716.77,1387.87 4748.52,1387.87 4757.34,1379.05 4757.34,1320 ; v1(4835,1360) 4835,1356.77 4820,1341.77 4820,1327.97 4812.03,1320 4757.34,1320
AI_PMON_EX: C179.1 R212.2 R215.2 U46.2 | length 863.1
  Top w6: v1(4905,3970) 4905,4090 5085,4270 5140,4270 5165,4245 v1(5170.08,4245)
  Bottom w6: v1(4905,3970) 4905,3940 4922.68,3922.32 U46.2@4969.65,3922.32 ; v1(5170.08,4245) 5199.61,4215.47 R215.2@5199.61,4186.31 5295,4186.31 C179.1@5295,4178.74 5295.25,4178.99 5350,4178.99 5370.47,4199.46 5391.19,4199.46 R212.2@5400,4208.27
AI_PMON_P: C180.1 R216.2 R218.2 U46.1 | length 589.9
  Bottom w6: R218.2@4719.53,4045 4719.53,4039.09 4728.34,4030.28 4813.34,4030.28 4850.63,3992.99 4876.93,3992.99 4895.22,4011.28 4925.18,4011.28 4969.65,3966.81 U46.1@4969.65,3947.91
  Bottom w7: R218.2@4719.53,4045 4719.53,4050.91 4739.21,4070.59 C180.1@4739.21,4154.53 4739.21,4190.51 R216.2@4855.47,4190.51
AI_RTC_BAT_V: BAT1.PLUS R191.1 U41.25 | length 1598.8
  Top w6: U41.25@6290.16,2226.38 6290.16,2345.16 v1(6305,2360)
  Top w10: BAT1.PLUS@5437.2,2724.91 5437.2,2823.74 5455,2841.54 5532.99,2841.54 5614.53,2760 5829.06,2760 5862,2727.06 6077.13,2727.06 v1(6077.26,2726.92) 6077.4,2727.06 R191.1@6077.4,2775
  Bottom w10: v1(6077.26,2726.92) 6308.08,2726.92 6330,2705 6330,2565 6305,2540 v1(6305,2360)
AI_TEMPLIM: D14.2 R85.2 R88.1 TH1.1 U41.11 | length 8624.4
  Top w6: v1(2410,249.13) 2410,725 2565,880 2565,1211.51 2632.48,1278.99 TH1.1@2632.48,1308.15 2632.48,1342.32 2715.16,1425 v3(2799.92,1425) ; v1(6460,2025) 6484.21,2049.21 U41.11@6526.38,2049.21 ; v1(6750,1755) 6810.28,1755 R88.1@6810.35,1754.92 6810.47,1754.8 R85.2@6810.47,1680.79 6810.47,1649.53 6825,1635 7056.43,1635 v1(7085.91,1664.47)
  Route2-SIG w6: v1(4070,1183.23) 4070,1244.23 4180,1354.23 4740.77,1354.23 4827.5,1267.5 4887.5,1267.5 v1(4970,1350) ; v1(6460,2025) 6580,2025 6750,1855 v1(6750,1755)
  Route3-GND w6: v3(2799.92,1425) 2834.92,1390 3435,1390 3640,1185 4056.87,1185 4058.64,1183.23 v1(4070,1183.23)
  Bottom w6: D14.2@2297.4,85.06 2267,85.06 2267,167 2365.65,167 2381,182.35 2381,220.13 v1(2410,249.13) ; v1(4970,1350) 4976.22,1350 4986.22,1360 5359.37,1360 5409.37,1410 5630,1410 5763.94,1276.06 5763.94,836.06 5859.84,740.16 6885.16,740.16 6970,825 6970,1548.57 v1(7085.91,1664.47)
AO_DC1_ISET: U2.3 U41.20 | length 6782.8
  Top w6: v1(6378.74,2127.95) 6378.74,2135 6388.58,2144.84 U41.20@6388.58,2226.38
  Route2-SIG w6: v1(3630,80) 3820.25,270.25 4136.37,270.25 ; 4136.62,270 4136.37,270.25 ; v1(5390,215) 5334.75,270.25 4136.37,270.25 ; v1(5815,1425) 5835,1405 5905,1405 5960,1460 6120,1460 6160,1500 6160,1620 6152.7,1627.3 v1(6152.7,1675)
  Route3-GND w6: v1(1625,232.04) 1692.96,232.04 1754.46,170.54 1928.21,170.54 2048.5,50.25 3599.75,50.25 3629.5,80 v1(3630,80) ; v1(5390,215) 5455,215 5565,325 5565,657.87 5825,917.87 5825,1415 v1(5815,1425)
  Bottom w6: U2.3@1509.62,197.01 1509.62,203.7 1537.96,232.04 v1(1625,232.04) ; v1(6152.7,1675) 6130,1697.7 6130,1852 6173,1895 6213,1895 6325,2007 6325,2074.21 v1(6378.74,2127.95)
BBFBK: C21.2 C54.2 D13.A R20.2 R25.1 R83.1 U1.5 U3.5 | length 3613.6
  Route2-SIG w6: v1(1157.84,1935.51) 1169.8,1923.56 1169.8,888.78 1339.58,719 1626.39,719 v2(1650,742.61)
  Route3-GND w6: v1(1157.84,1935.51) 1210,1987.67 1210,2012 1338,2140 1600,2140 v1(1665,2205) ; v2(1650,742.61) 1677.39,742.61 1935,485 2040,485 v1(2070,455)
  Bottom w6: U3.5@1469.45,2179.53 1544.96,2179.53 1570.43,2205 v1(1665,2205) 1665,2158.78 1699.96,2123.82 C54.2@1721.54,2123.82 ; U1.5@1519.45,779.53 1613.09,779.53 v2(1650,742.61) 1685.21,707.4 1710.51,707.4 R25.1@1735.43,682.48 ; R20.2@1684.74,615.47 1735.53,615.47 1735.47,615.53 1751.06,615.53 C21.2@1757.54,622 1757.54,625.94 1735.43,648.04 R25.1@1735.43,676.58 ; R25.1@1735,677.01 R25.1@1735.43,676.58 ; R25.1@1735.43,683 R25.1@1735.43,682.48 ; R83.1@2065,359.53 2070,364.53 D13.A@2070,412.76 v1(2070,455) ; R25.1@1735.43,676.58 R25.1@1735.43,682.48 ; R25.1@1735.43,676.58 1735.47,676.54 1735.47,682.44 R25.1@1735.43,682.48
BBIN: C9.1 C10.1 C11.1 C34.1 C35.1 C36.1 NT4.2 NT9.2 Q21.D1 Q21.D2 Q21.D3 Q21.D4 Q24.D1 Q24.D2 Q24.D3 Q24.D4 R1.1 R3.1 R13.2 R16.2 R19.2 R39.1 R45.1 R52.2 R54.2 R86.2 TP_BBIN1.1 | length 1610.9
  Top w6: C9.1@1522.59,375 1537.59,360 1560.67,383.08 1736.92,383.08 v1(1760,360)
  Bottom w6: R19.2@1360,1160 1360,1165.91 1373.85,1179.75 1455.23,1179.75 1474.96,1160.03 v2(1474.96,1150) v2@1468.46,1150 ; R54.2@1444.53,2585 1452.23,2592.7 v1(1478.71,2592.7) 1515.39,2592.7 ; R52.2@1515.39,2569.76 1515.39,2592.7 ; v1(1760,360) 1785.47,385.47 1785.47,471.4 R86.2@1783.41,469.33 ; R1.1@1918.66,1200 1918.66,1275 2014.96,1275 NT4.2@2014.96,1300 ; R39.1@1918.66,1550 1918.66,1625 2014.96,1625 NT9.2@2014.96,1595 ; R13.2@1929.48,2375.22 1929.48,2420.52 1900,2450 1866.13,2450 1807.51,2508.62 1673.46,2508.62 1655.16,2526.93 1655.16,2594.49 1648.39,2601.26 1523.95,2601.26 1515.39,2592.7
  other v2: 1474.96,1100 1524.96,1100 1574.96,1100 1624.96,1100 1524.96,1150 1574.96,1150 1624.96,1150 1474.96,1750 1524.96,1750 1574.96,1750 1624.96,1750 1474.96,1800 1524.96,1800 1574.96,1800 1624.96,1800
BBINM: C1.1 C2.1 C3.1 C4.1 D1.C NT5.2 Q2.D1 Q2.D2 Q2.D3 Q2.D4 R1.2 R3.2 | length 196.3
  Bottom w6: NT5.2@2034.96,1300 2034.96,1275 2131.26,1275 R1.2@2131.26,1200
  other v2: 1849.96,725 1849.96,775 1849.96,825 1849.96,875 1849.96,925 1849.96,975 1849.96,1025 1849.96,1075
BBINS: C37.1 C38.1 C39.1 C40.1 D8.C NT10.2 Q8.D1 Q8.D2 Q8.D3 Q8.D4 R39.2 R45.2 | length 201.3
  Bottom w6: NT10.2@2034.96,1595 2034.96,1625 2131.26,1625 R39.2@2131.26,1550
  other v2: 1849.96,1825 1849.96,1875 1849.96,1925 1849.96,1975 1849.96,2025 1849.96,2075 1849.96,2125 1850,2160.12
BBOUT: C12.1 C13.1 C45.1 C46.1 NT2.2 NT8.2 NT15.2 Q17.D1 Q17.D2 Q17.D3 Q17.D4 Q19.D1 Q19.D2 Q19.D3 Q19.D4 R2.2 R6.2 R17.2 R40.2 R41.2 R95.2 R96.1 R149.1 | length 5458.5
  Top w6: v1(5190,880) 5435,1125 v1(5625.85,1125)
  Route2-SIG w6: v2(3649.96,1090) 3714.96,1155 4105,1155 4175,1225 4175,1242.42 4222.58,1290 4480,1290 4510,1260 4535,1260 4565,1290 4731.5,1290 4860,1161.5 4860,1040.02 4940.02,960 5110,960 v1(5190,880)
  Route3-GND w6: v1(2060,590) 2060,559.4 2114.4,505 3360,505 3460,605 3460,950 3510,1000 v2(3599.96,1000)
  Bottom w6: R17.2@1948.06,643.5 1948.06,637.6 1975.66,610 2040,610 v1(2060,590) ; NT2.2@3184.96,1340 3184.96,1275 3281.26,1275 R2.2@3281.26,1200 ; NT8.2@3184.96,1555 3184.96,1625 3281.26,1625 R41.2@3281.26,1700 ; NT15.2@3489.83,1990 3499.96,1990 R149.1@3499.96,1893.7 ; R96.1@5497.4,1279.53 5503.31,1279.53 5532.83,1250 5630.45,1250 5655,1225.45 5655,1170 R95.2@5650.47,1170 5625.85,1158.09 v1(5625.85,1125)
  other v2: 3649.96,1000 3599.96,1045 3649.96,1045 3649.96,1810 3589.96,1860 3634.96,1860 3589.96,1910 3634.96,1910
BBOUTM: C5.1 C6.1 C7.1 C8.1 D3.C NT1.2 Q5.D1 Q5.D2 Q5.D3 Q5.D4 R2.1 R6.1 | length 236.3
  Bottom w6: R2.1@3068.66,1200 3068.66,1275 3164.96,1275 NT1.2@3164.96,1340
  other v2: 3349.96,725 3349.96,775 3349.96,825 3349.96,875 3349.96,925 3349.96,975 3349.96,1025 3349.96,1075
BBOUTS: C41.1 C42.1 C43.1 C44.1 D10.C NT7.2 Q11.D1 Q11.D2 Q11.D3 Q11.D4 R40.1 R41.1 | length 241.3
  Bottom w6: R41.1@3068.66,1700 3068.66,1625 3164.96,1625 NT7.2@3164.96,1554.98
  other v2: 3349.96,1825 3349.96,1875 3349.96,1925 3349.96,1975 3349.96,2025 3349.96,2075 3349.96,2125 3349.96,2175
BSCL1: J8.4 R136.1 U22.9 | length 1045.9
  Top w10: J8.4@5579.84,3193.86 5579.84,3104.68 5630,3054.53 6214.53,3054.53 6324.69,3164.69 v1(6325,3164.69)
  Bottom w6: v1@6325,3165 6355,3165 6365,3155 R136.1@6365,3129 6368.84,3125.16 U22.9@6438.41,3125.16
BSCL2: J8.1 R134.1 U21.19 | length 1099.2
  Top w10: v1(5450,3225) 5481.14,3193.86 J8.1@5520.79,3193.86
  Bottom w10: v1(5450,3225) 5501.79,3173.21 6050,3173.21 6124.57,3247.78 U21.19@6124.57,3325.75 6126.46,3327.64 6126.46,3375.43 6156.02,3405 6225.21,3405 R134.1@6260,3439.79
BSDA1: J8.5 R137.1 U22.8 | length 1035.2
  Top w10: J8.5@5599.53,3193.86 5599.53,3124.53 5649.06,3075 6205,3075 6245,3115 v1(6245,3165)
  Bottom w6: v1(6245,3165) 6275,3165 6288.96,3151.04 R137.1@6288.96,3125 6294.87,3125 6313.87,3106 6437.88,3106 U22.8@6438.41,3105.47
BSDA2: J8.2 R133.1 U21.18 | length 1086.9
  Top w10: v1(5450,3273.62) 5525,3273.62 5540.47,3258.15 J8.2@5540.47,3193.86
  Bottom w10: v1(5450,3273.62) 5523.62,3200 6024.37,3200 6097.72,3273.35 6097.72,3324.49 U21.18@6098.98,3325.75 6098.98,3389.41 6149.57,3440 6178.25,3440 R133.1@6178.46,3439.79
BST2: C16.1 D6.C U1.17 | length 277.7
  Bottom w6: D6.C@1372.2,401.34 1372.2,466.73 1375.47,470 1375.47,475.91 1333,518.37 1333,550 1379.87,566.13 1405.27,591.53 U1.17@1405.27,616.14
CBSCL: R167.1 TMP1.1 U10.2 U11.2 U12.2 U13.2 U31.10 U32.17 | length 12611.5
  Top w6: v1(4675,2870) 4675,2845 4685,2835 4685,2390 4720,2355 4720,2085 4763,2042 4763,1125 5100,788 5177,788 5264.21,700.79 5479.21,700.79 5555,625 5920,625 v1(5930,635) ; v1(4675,3450) 5345,3450 5480,3585 6032.09,3585 6136.46,3689.37 6136.46,3914.72 6198.09,3976.36 v1(6525,3976.36) 6525.68,3975.68 7374.32,3975.68 v1(7375,3975) ; R167.1@6219.53,582.06 6238.83,582.06 6250,570.89 6250,530 6269.84,510.16 U32.17@6315.97,510.16 6380.16,510.16 v1(6400,530)
  Route2-SIG w6: v1(2499.96,2800) 2521.36,2778.6 3028.6,2778.6 v1(3050,2800)
  Route3-GND w6: v1(3050,2800) 3116.1,2733.9 3391.1,2733.9 3532.3,2592.7 3578.29,2592.7 3614.26,2628.67 3614.26,2709.26 3620,2715 3945,2715 4150,2920 4625,2920 v1(4675,2870) ; v1(5930,635) 6295,635 v1(6400,530)
  Bottom w6: U10.2@2444.17,2736.18 2484.17,2736.18 2499.96,2751.97 v1(2499.96,2800) ; U11.2@2989.17,2736.18 3036.18,2736.18 3050,2750 v1(3050,2800) ; v1(4675,2870) 4720,2915 4720,3405 v1(4675,3450) ; TMP1.1@4916.85,502.6 4916.85,458.15 5156.38,218.62 5241.38,218.62 5359.84,100.16 5934.43,100.16 6160,325.73 6160,542.56 ; U31.10@6024.37,542.56 6160,542.56 ; v1(6400,530) 6387.44,542.56 6160,542.56 ; U12.2@6439.17,3951.18 6499.82,3951.18 v1(6525,3976.36) ; U13.2@7289.17,3951.18 7351.18,3951.18 v1(7375,3975)
CBSDA: R166.1 TMP1.6 U10.3 U11.3 U12.3 U13.3 U31.9 U32.18 | length 12736.5
  Top w6: v1(4675,2908.46) 4673.04,2906.5 4651.5,2906.5 4645,2900 4645,2839.53 4665,2819.53 4665,2385 4705,2345 4705,2075 4746,2034 4746,1110 5084,772 5163,772 5250,685 5470,685 5545,610 5882.5,610 v1(5920,572.5) ; v1(4675,3400) 5325,3400 5495,3570 6040,3570 6172.05,3702.05 6172.05,3883.58 6214.53,3926.06 6523.94,3926.06 v1(6525,3925) 6525.53,3925.53 7374.47,3925.53 v1(7375,3926.06) ; R166.1@6219.53,510.16 6240,510.16 6265.59,484.57 U32.18@6315.97,484.57 6386.83,484.57 v1(6400,471.4)
  Route2-SIG w6: v1(2550,2805.82) 3000.02,2805.82 3025,2830.8 3069.2,2830.8 v1(3100,2800)
  Route3-GND w6: v1(3100,2800) 3150,2750 3400,2750 3540,2610 3570,2610 3595,2635 3595,2720 3608.9,2733.9 3933.9,2733.9 4140,2940 4643.46,2940 v1(4675,2908.46) ; v1@5920,570.89 5935.89,555 6145,555 6228.6,471.4 v1(6400,471.4)
  Bottom w6: U10.3@2444.17,2710.59 2481.65,2710.59 2550,2778.94 v1(2550,2805.82) ; U11.3@2989.17,2710.59 3035.59,2710.59 3100,2775 v1(3100,2800) ; v1(4675,2908.46) 4705,2938.46 4705,3370 v1(4675,3400) ; TMP1.6@5023.15,502.6 5023.15,407.58 5175.73,255 5265,255 5385,135 5862.48,135 6030,302.52 6111.02,302.52 6139.84,331.34 6139.84,470.31 ; 6140,470.47 6139.84,470.31 ; v1(6400,471.4) 6430,501.4 6430,549.29 6410.66,568.63 6004.69,568.63 U31.9@6004.69,523.74 6004.69,485.63 6020,470.31 6139.84,470.31 ; U12.3@6439.17,3925.59 6524.41,3925.59 v1(6525,3925) ; U13.3@7289.17,3925.59 7374.53,3925.59 v1(7375,3926.06)
CHRGEN: J8.6 R127.1 | length 76.7
  Top w10: J8.6@5619.21,3193.86 5619.29,3193.94 5619.29,3268.82 R127.1@5620.47,3270